# Altium PCB MOTHER_BOARD_LS1021_v1.0.PcbDoc (part 4 of 15) (continued)
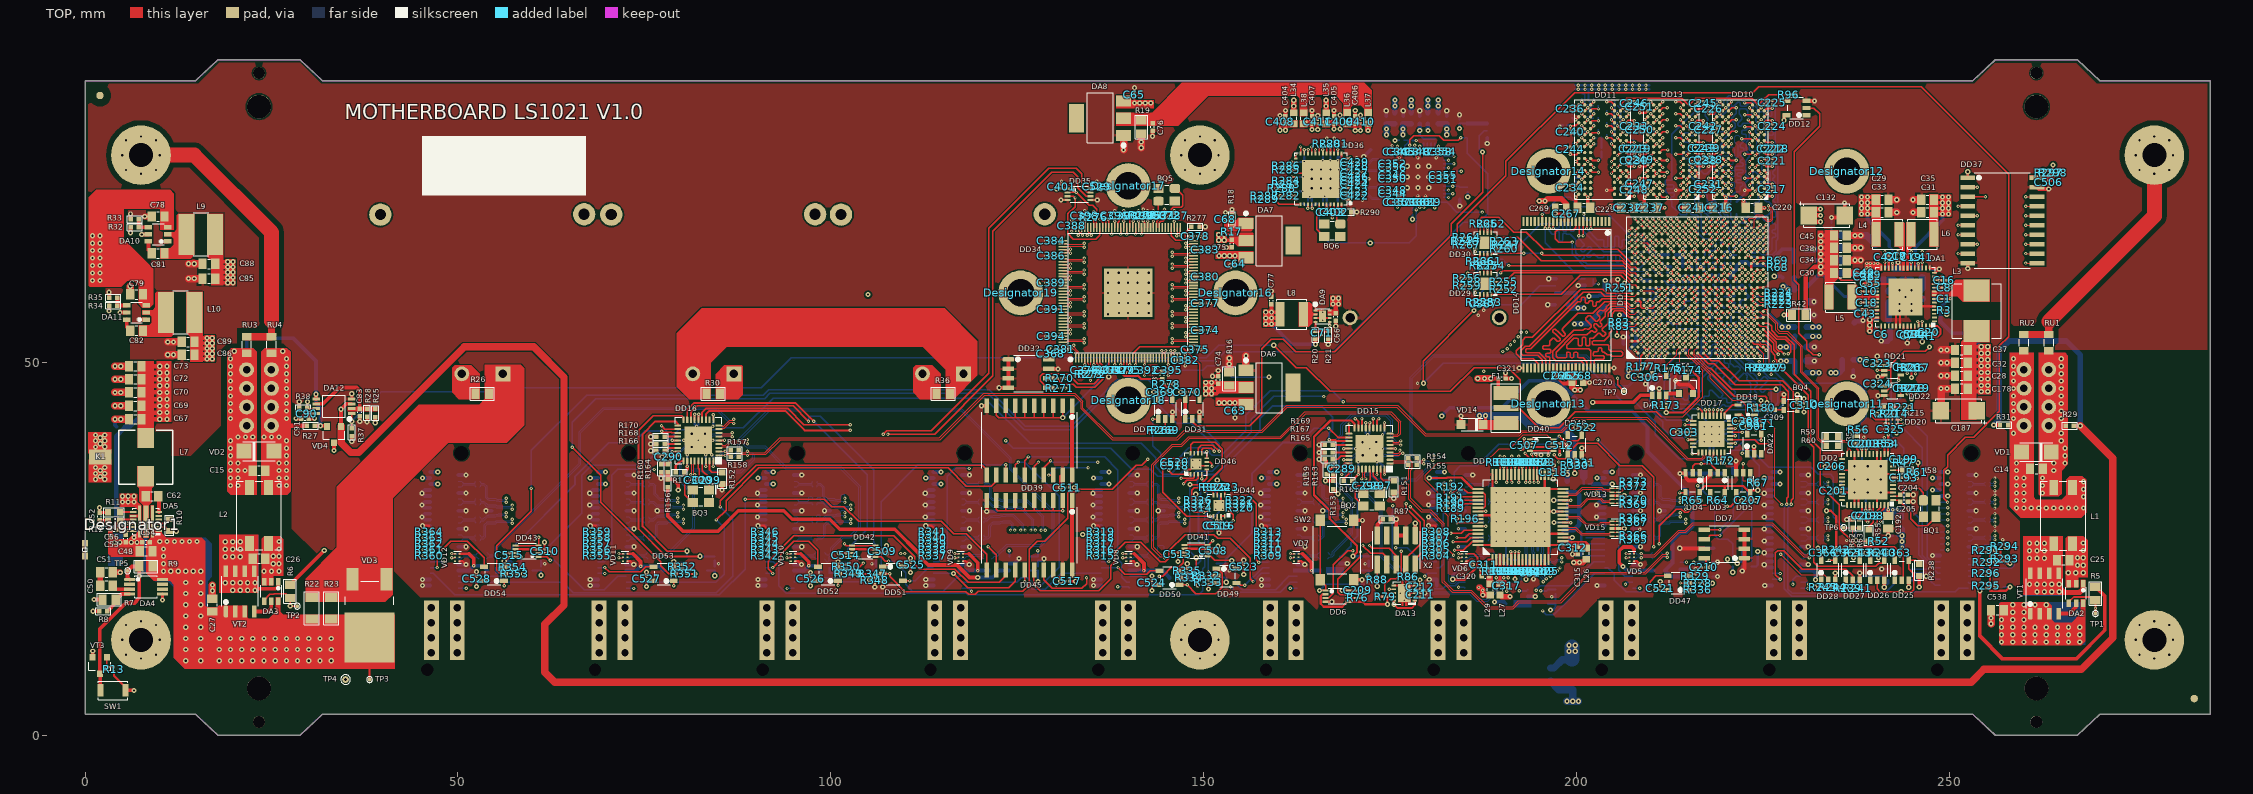
[diagram p0: TOP view]
## Nets (pads, with @x,y where several pads share a name; then routed paths per layer and width w, separated by ;. In a path a pad name is that pad's centre, name@x,y a point inside that pad or via, vN(x,y) a via of type N, cw(c..) or ccw(c..) an arc to the next point about the centre after c; other vN are vias at no path point) (continued)
+CPU_VDDC: C29.2 C33.2 C118.2 C125.2 C139.2 C153.2 C166.1 DA1.25 DD1.K11 DD1.M10 DD1.P10 DD1.R9 L4.2 L12.1 L15.2 | length 22.4
  TOP w0.25: DA1.25@242.375,62.65 242.375,63.316 v1(242.387,63.328) v1@242.387,63.287
  TOP w0.3: v1(214.25,58.85) DD1.K11@214.65,59.25 ; v1(215.85,58.05) DD1.M10@216.25,58.45 ; DD1.P10@217.85,58.45 v1(218.25,58.05) ; DD1.R9@218.65,57.65 v1(219.05,57.25)
  TOP w0.5: v2(239.025,69.925) C33.2@239.825,69.925 ; v2(239.025,70.675) C33.2@239.825,70.675 ; v2(239.025,71.425) C29.2@239.825,71.425 ; v2(239.025,72.175) C29.2@239.825,72.175
  BOTTOM w0.25: 241.95,65.575 242.387,65.138 v1(242.387,63.328)
  BOTTOM w0.3: v1(214.25,58.85) 214.55,58.85 C118.2@214.675,58.725 ; v1(215.85,58.05) C125.2@216.375,58.05 ; v1(218.25,58.05) 218.525,57.775 C139.2@218.525,57.55 ; C153.2@218.525,56.975 218.775,56.975 v1(219.05,57.25)
  BOTTOM w0.5: v2(239.025,70.675) 239.6,70.675 C166.1@240.15,70.125 239.95,69.925 v2(239.025,69.925) 239.025,69.2 241.95,66.275 241.95,65.575
  BOTTOM w0.75: L12.1@230.8,53.5 v2(231.675,53.5) v2(232.525,53.5) ; L15.2@230.8,54.75 v2(231.675,54.75) v2(232.525,54.75)
  other v2: 238.225,69.925 238.225,70.675 238.225,71.425 238.225,72.175
+L1VDD: C60.2 C131.2 C145.2 C158.2 DA1.39 DD1.R8 DD1.T8 | length 42.3
  TOP w0.3: DD1.R8@218.65,56.85 v1(219.05,56.45) ; DD1.T8@219.45,56.85 v1(219.85,56.45)
  GND+PWR2 w0.13: v1(219.85,56.45) 221.06,55.24 224.51,55.24 224.75,55 ; v1(219.85,56.45) 220.24,56.84 220.835,56.84 221.625,56.05 224.25,56.05 224.75,55.55 224.75,55 ; v1(219.85,56.45) 219.85,55.402 220.24,55.012 220.24,54.635 220.415,54.46 224.21,54.46 224.75,55
  GND+PWR2 w0.5: v1(219.05,56.45) v1(219.85,56.45) ; 236.975,57.075 v1(238.35,57.075) v1(238.85,57.075)
  GND+PWR2 w0.75: 224.75,55 225.1,55 226.375,53.725 229.25,53.725 230,54.475 230,56.425 230.85,57.275 235.725,57.275 235.925,57.075 236.975,57.075
  BOTTOM w0.3: v1(219.05,56.45) 219.075,56.45 C158.2@219.525,56 ; v1(219.85,56.45) 220.175,56.125 C145.2@220.175,55.975 ; v1(238.85,57.075) 238.925,57 240.35,57 C60.2@240.35,56.85
  BOTTOM w0.5: C131.2@237.25,57.025 237.3,57.075 v1(238.35,57.075) v1(238.85,57.075)
+LVDD: C59.2 C307.1 C323.1 C324.1 C325.1 C340.1 C507.1 C508.1 C509.1 C510.1 DA1.28 DD17.11 DD17.14 DD17.32 DD20.2 DD21.1 DD22.1 DD23.1 DD23.5 DD40.3 DD40.6 DD41.3 DD41.6 DD42.3 DD42.6 DD43.3 DD43.6 L11.1 R228.2 R229.2 | length 34.9
  TOP w0.3: DD43.6@57.725,24.95 DD43.3@60.825,24.95 61.6,24.95 C510.1@61.625,24.975 v2(61.625,25.9) ; DD42.6@102.875,24.95 DD42.3@105.975,24.95 106.85,24.95 C509.1@106.875,24.975 107.05,24.975 107.475,25.4 v2(107.475,25.425) ; DD41.6@147.425,25.025 DD41.3@150.525,25.025 151.3,25.025 C508.1@151.325,25.05 151.594,25.05 151.909,25.365 v2(151.934,25.365) ; v1@192.602,38.359 192.594,38.352 v1(192.534,38.352) 192.549,38.366 192.891,38.366 193,38.475 C507.1@193,38.65 193.775,38.65 DD40.3@193.8,38.675 DD40.6@196.9,38.675 ; v1(214.95,39.65) DD17.14@215.65,39.65 ; v1(214.95,41.15) DD17.11@215.65,41.15 ; DD17.32@220.6,42.15 v1(221.3,42.15) ; R228.2@224.525,49.6 v1(224.525,50.125) ; R229.2@226.425,49.6 v1(226.425,50.125) ; v2(239.725,46.85) C324.1@240.425,46.85 DD22.1@241.275,46.85 ; v2(239.725,49.6) C323.1@240.325,49.6 DD21.1@241.275,49.6 ; DD20.2@242.375,41.75 242.375,41.1 C325.1@242.4,41.075 v2(242.925,40.55)
  BOTTOM w0.3: v2(184.3,81.375) C340.1@184.3,82.05 DD23.5@185.325,82.05 ; C307.1@220.85,42.15 v1(221.3,42.15) ; v1(239.9,63.275) 239.9,62.85 C59.2@240.2,62.55 240.4,62.75 v1(240.4,63.275)
  BOTTOM w0.5: DD23.5@185.325,82.05 DD23.1@188.025,82.05
  BOTTOM w0.75: L11.1@230.8,48.625 v2(231.675,48.625) v2(232.525,48.625)
  other v1: 238.95,62.725 239.4,62.725 238.95,63.275 239.4,63.275
AGND: C25.1 C26.1 C27.2 C46.2 C48.1 C51.1 C52.1 C53.1 C54.1 C56.1 C87.2 C538.2 DA2.2 DA2.3 DA3.2 DA3.3 DA4.5 DA5.2 DA5.9 DA5.11 K1.1 L1.4 L2.4 R8.1 R10.1 R11.1 R13.2 R36.2 SW1.2 TP4.1 VT3.2 X3.P5 X3.P6 X3.P7 X3.P8 X4.P5 X4.P6 X4.P7 X4.P8 X5.P5 X5.P6 X5.P7 X5.P8 X6.P5 X6.P6 X6.P7 X6.P8 X7.P5 X7.P6 X7.P7 X7.P8 X8.P5 X8.P6 X8.P7 X8.P8 X9.P5 X9.P6 X9.P7 X9.P8 X10.P5 X10.P6 X10.P7 X10.P8 X11.P5 X11.P6 X11.P7 X11.P8 X12.P5 X12.P6 X12.P7 X12.P8 | length 56.8
  TOP w0.25: DA5.2@9.9,27.925 10.775,27.925 R10.1@11.325,27.375
  TOP w0.3: R13.2@3.875,8.575 3.875,7.975 5.45,6.4 SW1.2@5.45,6.025
  TOP w0.4: v2(1.95,30.525) C52.1@1.95,29.85 3,29.85 R11.1@3.075,29.925 ; v2(10.375,18.15) DA4.5@10.375,18.95 ; R10.1@11.325,27.375 v2(12.225,27.375)
  TOP w0.5: VT3.2@1.025,10.45 v2(1.025,11.3) ; v2(1.075,16.65) R8.1@1.9,16.65 ; SW1.2@5.45,6.025 v2(6.575,6.025)
  TOP w0.75: C51.1@3.725,21.85 v2(4.725,21.85)
  TOP w1: C27.2@17.075,18.3 v2(17.075,19.375) v2(17.075,20.15) ; v2(255.6,14.95) v2(255.6,15.725) C538.2@255.6,16.8
  GND+PWR2 w2: C87.2@112.3,48.475 112.3,40.04 116.25,36.09 ; 116.25,36.125 116.25,36.09 ; X9.P8@117.405,11.1 X9.P7@117.405,13.1 X9.P6@117.405,15.1 X9.P5@117.405,17.1 117.405,17.834 114.575,20.664 114.575,28.87 116.25,30.545 116.25,36.09
  other v2: 265.95,21.8 266.95,21.8 267.95,21.8 24,22 25,22 26,22 267.2,22.8 267.95,22.8 25.25,23 26,23 267.2,23.8 267.95,23.8 25.25,24 26,24 267.95,24.8 26,25 267.95,25.8 3.95,25.875 4.7,25.875 6.2,25.875 6.95,25.875 26,26 6.575,26.525 3.475,26.65 5.025,31.3 5.775,31.3 6.55,31.3 5.025,32.05 5.775,32.05 6.55,32.05 1.4,34.325 2.65,34.325 2.025,34.7 1.4,35.1 2.65,35.1 2.025,35.5 1.4,35.9 2.65,35.925
BTN_EXT: R246.1 X3.29 | length 139.9
  TOP w0.196: R246.1@184.775,66.275 184.254,66.275 184.021,66.508 184.021,68.529 190.525,75.033 190.525,76.969 199.74,86.183 223.65,86.183 224.44,86.973 246.272,86.973 257.975,75.27 257.975,53.48 256.723,52.228 256.723,43.448 253.264,39.989 252.162,39.989 249.762,37.589 249.762,36.037 249.252,35.527 249.252,31.794 249.762,31.284 v1(249.762,31.252)
  BOTTOM w0.196: X3.29@248.775,31.3 248.823,31.252 v1(249.762,31.252)
C_CLK: DD1.N5 R196.1 | length 65.3
  TOP w0.196: v1(184.025,29.025) R196.1@184.8,29.025 ; DD1.N5@217.05,54.45 v1(217.45,54.05)
  SIGNAL2 w0.113: v1(184.025,29.025) 184.45,29.025 188.65,33.225 188.65,34.15 189.375,34.875 195.425,34.875 196.431,33.869 196.519,33.869 196.826,33.869 197.316,33.869 197.439,33.746 197.439,31.891 197.561,31.769 197.929,31.769 198.052,31.891 198.052,33.869 198.052,34.133 198.174,34.256 198.542,34.256 198.665,34.133 198.665,33.869 198.665,32.023 198.787,31.9 199.155,31.9 199.278,32.023 199.278,33.869 199.278,34.133 199.4,34.256 199.768,34.256 199.891,34.133 199.891,33.869 199.891,31.955 200.013,31.832 200.381,31.832 200.504,31.955 200.504,33.746 200.626,33.869 200.794,33.869 201.01,34.085 201.062,34.137 211.175,44.25 212.2,44.25 217.027,49.077 217.027,52.723 216.119,53.631 215.594,53.631 215.468,53.757 215.468,54.268 215.631,54.431 216.132,54.431 216.513,54.05 v1(217.45,54.05)
CCLK: DD19.57 R196.2 | length 1.4
  TOP w0.196: R196.2@185.4,29.025 DD19.57@186.8,29.025
CD_EN: DD1.M5 R193.1 | length 65.4
  TOP w0.196: v1(189.25,21.125) R193.1@189.25,21.7 ; v1(215.85,54.05) DD1.M5@216.25,54.45
  SIGNAL2 w0.113: v1(189.25,21.125) 189.906,20.469 192.039,20.469 192.275,20.705 192.275,22.53 193.893,24.148 196.848,24.148 198.718,26.018 199.66,26.018 199.957,26.315 199.957,27.273 202.634,29.95 203.05,29.95 203.812,30.712 203.812,31.937 205.69,33.815 205.841,33.966 205.841,34.096 205.142,34.796 205.142,34.926 205.445,35.229 205.575,35.229 206.34,34.465 206.549,34.255 206.679,34.255 206.983,34.559 206.983,34.689 206.838,34.833 206.838,34.963 208,36.125 218.631,46.756 218.631,47.34 218.631,47.444 218.509,47.567 218.502,47.567 218.379,47.689 218.379,48.057 218.502,48.18 218.631,48.18 220.659,48.18 220.781,48.302 220.781,48.67 220.659,48.793 218.631,48.793 218.502,48.793 218.379,48.915 218.379,49.283 218.502,49.406 218.631,49.406 220.659,49.406 220.781,49.528 220.781,49.896 220.659,50.019 218.754,50.019 218.631,50.141 218.631,50.325 218.631,53.408 218.408,53.631 216.42,53.631 216.066,53.986 215.914,53.986 v1(215.85,54.05)
CDEN: DD19.2 R193.2 | length 1.3
  TOP w0.196: R193.2@189.25,22.3 DD19.2@189.25,23.575
cfg_dram_type: DD1.D10 R249.1 | length 1
  TOP w0.196: v1(209.45,58.05) DD1.D10@209.85,58.45
  BOTTOM w0.196: R249.1@208.975,58.05 v1(209.45,58.05)
cfg_ifc_te: DD1.D14 R250.1 | length 1.4
  TOP w0.196: v1(209.45,62.05) DD1.D14@209.85,61.65
  BOTTOM w0.196: R250.1@208.75,61.775 208.802,61.827 209.158,61.827 209.381,62.05 v1(209.45,62.05)
cfg_rcw_src0: DD1.B12 DD29.16 | length 21.4
  TOP w0.149: 206.176,61.449 206.448,61.177 206.652,61.177 207.07,60.759 207.07,60.693 207.334,60.429 207.87,60.429 207.878,60.422
  TOP w0.196: DD29.16@188.575,59.15 197.974,59.15 200.499,61.675 205.95,61.675 206.176,61.449 ; 207.878,60.422 DD1.B12@208.25,60.05
cfg_rcw_src1: DD1.A12 R251.1 | length 1.4
  TOP w0.196: R251.1@206.125,60.05 206.176,60.101 207.399,60.101 DD1.A12@207.45,60.05
cfg_rcw_src2: DD1.A13 DD29.4 | length 19
  TOP w0.196: DD29.4@189.225,61.3 190.925,61.3 191.654,62.029 206.271,62.029 DD1.A13@207.45,60.85
cfg_rcw_src3: DD1.B14 DD29.8 | length 26.2
  TOP w0.149: 206.36,62.975 207.285,62.05 207.85,62.05
  TOP w0.196: v1(185.425,61.95) DD29.8@187.075,61.95 ; v1(190.925,63) 190.95,62.975 206.36,62.975 ; 207.85,62.05 DD1.B14@208.25,61.65
  BOTTOM w0.196: v1(185.425,61.95) 186.5,61.95 188.4,63.85 190.075,63.85 v1(190.925,63)
cfg_rcw_src4: DD1.A14 DD29.12 | length 23
  TOP w0.196: v1(186.425,59.35) DD29.12@186.425,59.8 ; v1(189.825,62) 190.15,62.325 206.5,62.325 207.156,61.669 207.431,61.669 DD1.A14@207.45,61.65
  BOTTOM w0.196: v1(186.425,59.35) 187.175,59.35 v1(189.825,62)
cfg_rcw_src5: DD1.B15 DD30.16 | length 20.6
  TOP w0.149: 205.762,64.4 207.313,62.85 207.85,62.85
  TOP w0.196: DD30.16@188.575,64.625 192.906,64.625 v1(192.909,64.628) ; v1(195.325,64.65) 195.575,64.4 205.762,64.4 ; 207.85,62.85 DD1.B15@208.25,62.45
  BOTTOM w0.196: v1(192.909,64.628) 192.931,64.65 v1(195.325,64.65)
cfg_rcw_src6: DD1.A15 DD30.4 | length 20
  TOP w0.196: DD30.4@189.225,66.775 192.15,66.775 195.287,63.638 206.112,63.638 206.479,63.271 206.483,63.271 206.656,63.098 206.656,63.094 206.78,62.97 206.784,62.97 207.263,62.491 207.409,62.491 DD1.A15@207.45,62.45
cfg_rcw_src7: DD1.A16 DD30.8 | length 24.8
  TOP w0.196: DD30.8@187.075,67.425 187.075,69.225 187.3,69.45 189.575,69.45 191.575,67.45 193.3,67.45 195.6,65.15 205.55,65.15 DD1.A16@207.45,63.25
CH_SYNC: DD1.N3 R194.1 | length 65.4
  TOP w0.196: v1(190.25,21.125) R194.1@190.25,21.7 ; DD1.N3@217.05,52.85 v1(217.45,52.45)
  SIGNAL2 w0.113: v1(190.25,21.125) 190.291,21.166 190.291,21.791 193.575,25.075 196.425,25.075 199.831,28.481 199.961,28.611 200.134,28.611 200.161,28.583 200.335,28.583 200.595,28.843 200.595,29.017 200.481,29.131 199.884,29.728 199.884,29.901 200.144,30.161 200.317,30.161 200.914,29.564 201.028,29.45 201.202,29.45 201.462,29.71 201.462,29.884 201.348,29.998 200.751,30.594 200.751,30.768 201.011,31.028 201.184,31.028 201.694,30.518 201.868,30.518 202.169,30.819 202.169,34.635 210.084,42.55 213.024,42.55 213.27,42.796 213.4,42.926 213.4,43.099 212.866,43.633 212.866,43.806 213.126,44.066 213.299,44.066 213.92,43.446 213.997,43.369 214.17,43.369 214.43,43.629 214.43,43.802 214.353,43.879 213.733,44.5 213.733,44.673 213.993,44.933 214.166,44.933 214.787,44.313 214.864,44.236 215.037,44.236 215.297,44.496 215.297,44.669 215.22,44.746 214.6,45.367 214.6,45.54 214.86,45.8 215.033,45.8 215.654,45.18 215.731,45.103 215.904,45.103 216.164,45.363 216.164,45.536 216.087,45.613 215.467,46.234 215.467,46.407 215.727,46.667 215.9,46.667 216.521,46.047 216.598,45.97 216.771,45.97 217.031,46.23 217.031,46.403 216.954,46.48 216.334,47.101 216.334,47.274 216.594,47.534 216.767,47.534 217.301,47 217.474,47 217.675,47.201 217.675,47.385 217.798,47.508 217.831,47.508 217.953,47.63 217.953,47.998 217.831,48.121 217.675,48.121 216.985,48.121 216.862,48.243 216.862,48.611 216.985,48.734 217.675,48.734 217.831,48.734 217.953,48.856 217.953,49.224 217.831,49.347 217.675,49.347 217.363,49.347 217.24,49.469 217.24,49.837 217.363,49.96 217.675,49.96 217.831,49.96 217.953,50.082 217.953,50.45 217.831,50.573 217.798,50.573 217.675,50.695 217.675,50.75 217.675,50.975 217.831,51.131 217.831,52.068 v1(217.45,52.45)
CHSYNC: DD19.4 R194.2 | length 1.3
  TOP w0.196: R194.2@190.25,22.3 DD19.4@190.25,23.575
CLK_RGMII_25M: C341.1 R58.1 R61.2 | length 144.3
  TOP w0.196: R58.1@244.8,35.55 R61.2@245.7,35.55 245.812,35.662 v2(245.812,36.565)
  SIGNAL1 w0.113: v2(175.65,79.775) 175.65,81.96 176.29,82.601 196.157,82.601 199.596,86.039 213.04,86.039 213.895,86.894 244.027,86.894 256.004,74.917 256.004,67.524 252.02,63.539 248.948,63.539 247.284,61.875 241.833,61.875 240.235,60.278 240.235,52.427 241.429,51.234 241.429,45.421 245.125,41.725 245.125,38.6 245.775,37.95 245.775,36.602 v2(245.812,36.565)
  BOTTOM w0.196: v2(175.65,79.775) C341.1@176.275,79.775
CLK_RGMII_125M: DD1.Y4 R56.1 R57.1 | length 28.3
  TOP w0.196: DD1.Y4@222.65,53.65 v1(223.05,53.25) ; v1(236.9,41) R56.1@237.575,41 R57.1@237.575,40.175
  BOTTOM w0.196: v1(223.05,53.25) 223.5,52.8 225.3,52.8 225.925,52.175 225.925,49.95 226.605,49.27 227.38,49.27 229.425,47.225 237.7,47.225 238.875,46.05 238.875,42.575 237.3,41 v1(236.9,41)
CONSOLE_RXD: DD38.5 X3.3 | length 4.6
  BOTTOM w0.196: DD38.5@244.925,22.3 247.175,22.3 247.977,21.498 247.977,21.199 248.276,20.9 X3.3@248.775,20.9
CONSOLE_TXD: DD38.6 X3.1 | length 5.1
  BOTTOM w0.196: DD38.6@244.925,21.8 246.6,21.8 246.673,21.873 247.127,21.873 247.525,21.475 247.525,20.675 248.1,20.1 X3.1@248.775,20.1
CPU_TXRX_A_N: C423.2 DD24.2 | length 5.5
  TOP w0.12: C423.2@170.55,72.875 170.69,72.735 171.135,72.735 v1(171.3,72.9)
  BOTTOM w0.12: v1(171.3,72.9) 171.37,72.9 171.535,72.735 171.99,72.735 172.24,72.485 172.635,72.09 173.516,72.09 173.911,72.485 174.915,72.485 174.985,72.555 174.985,72.56 175.05,72.625 DD24.2@175.35,72.625
CPU_TXRX_A_P: C422.2 DD24.1 | length 5.5
  TOP w0.12: C422.2@170.55,72.375 170.69,72.515 171.135,72.515 v1(171.3,72.35)
  BOTTOM w0.12: v1(171.3,72.35) 171.37,72.35 171.535,72.515 171.899,72.515 172.149,72.265 172.544,71.87 173.607,71.87 174.002,72.265 174.6,72.265 ; 174.625,72.265 174.915,72.265 175.055,72.125 DD24.1@175.35,72.125
CPU_TXRX_B_N: C425.2 DD24.5 | length 5.5
  TOP w0.12: C425.2@170.55,74.375 170.69,74.235 171.176,74.235 171.406,74.006 171.531,74.006 v1(171.585,74.06)
  BOTTOM w0.12: v1(171.585,74.06) 171.585,73.827 171.786,73.625 173.2,73.625 173.56,73.985 174.915,73.985 174.985,74.055 174.985,74.06 175.05,74.125 DD24.5@175.35,74.125
CPU_TXRX_B_P: C424.2 DD24.4 | length 5.5
  TOP w0.12: C424.2@170.55,73.875 170.69,74.015 171.085,74.015 171.25,73.85 171.25,73.725 v1(171.196,73.671)
  BOTTOM w0.12: v1(171.196,73.671) 171.429,73.671 171.695,73.405 173.291,73.405 173.651,73.765 174.915,73.765 174.985,73.695 174.985,73.69 175.05,73.625 DD24.4@175.35,73.625
CPU_TXRX_C_N: C427.2 DD24.8 | length 5.5
  TOP w0.12: C427.2@170.55,75.375 170.69,75.235 171.085,75.235 171.25,75.4 171.25,75.525 v1(171.196,75.579)
  BOTTOM w0.12: v1(171.196,75.579) 171.429,75.579 171.681,75.831 173.306,75.831 173.651,75.485 174.915,75.485 174.985,75.555 174.985,75.56 175.05,75.625 DD24.8@175.35,75.625
CPU_TXRX_C_P: C426.2 DD24.7 | length 5.5
  TOP w0.12: C426.2@170.55,74.875 170.69,75.015 171.176,75.015 171.406,75.244 171.531,75.244 v1(171.585,75.19)
  BOTTOM w0.12: v1(171.585,75.19) 171.585,75.424 171.772,75.611 173.214,75.611 173.56,75.265 174.915,75.265 174.985,75.195 174.985,75.19 175.05,75.125 DD24.7@175.35,75.125
CPU_TXRX_D_N: C429.2 DD24.11 | length 5.5
  TOP w0.12: C429.2@170.55,76.875 170.69,76.735 171.135,76.735 v1(171.3,76.9)
  BOTTOM w0.12: v1(171.3,76.9) 171.465,76.735 172.024,76.735 172.684,77.395 174.091,77.395 174.501,76.985 174.915,76.985 174.985,77.055 174.985,77.06 175.05,77.125 DD24.11@175.35,77.125
CPU_TXRX_D_P: C428.2 DD24.10 | length 5.5
  TOP w0.12: C428.2@170.55,76.375 170.69,76.515 171.135,76.515 v1(171.3,76.35)
  BOTTOM w0.12: v1(171.3,76.35) 171.465,76.515 172.115,76.515 172.775,77.175 174,77.175 174.41,76.765 174.915,76.765 174.985,76.695 174.985,76.69 175.05,76.625 DD24.10@175.35,76.625
CV_SYNC: DD1.N4 R195.1 | length 65.4
  TOP w0.196: R195.1@190.75,21.7 190.75,21.25 v1(190.875,21.125) ; DD1.N4@217.05,53.65 v1(217.45,53.25)
  SIGNAL2 w0.113: v1(190.875,21.125) 190.875,21.85 193.687,24.662 196.762,24.662 202.469,30.368 202.885,30.368 203.275,30.759 203.275,31.55 203.275,33.295 203.398,33.418 204.111,33.418 204.233,33.54 204.233,33.908 204.111,34.031 203.398,34.031 203.275,34.153 203.275,34.644 203.275,34.95 203.826,35.501 203.999,35.501 204.026,35.475 204.199,35.475 204.46,35.735 204.46,35.908 204.346,36.021 204.217,36.15 204.217,36.324 204.477,36.584 204.651,36.584 204.78,36.455 205.371,35.864 205.544,35.864 205.804,36.124 205.804,36.297 205.213,36.888 205.084,37.017 205.084,37.19 205.344,37.451 205.518,37.451 205.647,37.322 206.238,36.731 206.411,36.731 206.671,36.991 206.671,37.164 206.08,37.755 205.951,37.884 205.951,38.057 206.211,38.317 206.385,38.317 206.514,38.189 206.527,38.175 206.7,38.175 206.96,38.435 206.96,38.609 206.947,38.622 206.818,38.751 206.818,38.924 207.078,39.184 207.252,39.184 207.38,39.055 207.467,38.969 207.64,38.969 207.9,39.229 207.9,39.402 207.814,39.489 207.685,39.618 207.685,39.791 207.945,40.051 208.118,40.051 208.247,39.922 208.838,39.331 209.012,39.331 209.272,39.591 209.272,39.765 208.681,40.356 208.552,40.485 208.552,40.658 208.812,40.918 208.985,40.918 209.114,40.789 209.705,40.198 209.879,40.198 210.139,40.458 210.139,40.632 209.548,41.223 209.419,41.352 209.419,41.525 209.679,41.785 209.852,41.785 209.894,41.743 210.068,41.743 210.198,41.873 210.507,41.873 210.63,41.75 210.63,41.037 210.752,40.915 211.12,40.915 211.243,41.037 211.243,41.873 211.243,42.173 211.365,42.295 211.733,42.295 211.856,42.173 211.856,41.873 211.856,41.037 211.978,40.915 212.346,40.915 212.469,41.037 212.469,41.75 212.591,41.873 212.775,41.873 212.975,41.873 218.166,47.064 218.166,52.534 v1(217.45,53.25)
CVSYNC: DD19.5 R195.2 | length 1.3
  TOP w0.196: R195.2@190.75,22.3 DD19.5@190.75,23.575
DDR_A0: DD1.AC22 DD10.N3 DD11.N3 DD13.N3 R103.1 | length 63.3
  TOP w0.196: v1(204.7,82.55) DD11.N3@205.1,82.15 ; v1(213.95,82.55) DD13.N3@214.35,82.15 ; v1(223.052,82.524) 223.052,82.498 223.4,82.15 DD10.N3@223.6,82.15 ; DD1.AC22@225.05,68.05 v1(225.45,68.45)
  SIGNAL1 w0.113: v1(204.7,82.55) 205.5,82.55 205.907,82.143 206.482,82.143 206.544,82.08 206.544,82.06 206.607,81.997 206.795,81.997 206.857,82.06 206.857,82.261 206.92,82.324 207.108,82.324 207.17,82.261 207.17,82.205 207.233,82.143 207.468,82.143 207.592,82.018 207.908,82.018 208.171,82.281 208.766,82.281 208.879,82.168 209.308,82.168 209.439,82.3 209.846,82.3 209.909,82.363 209.909,82.386 209.972,82.449 210.159,82.449 210.222,82.386 210.222,82.363 210.285,82.3 210.46,82.3 210.592,82.168 210.999,82.168 211.061,82.231 211.061,82.317 211.124,82.379 211.312,82.379 211.374,82.317 211.374,82.231 211.437,82.168 212.358,82.168 212.74,82.55 v1(213.95,82.55) 214.275,82.55 214.693,82.131 214.831,82.131 215.025,82.325 215.175,82.325 215.331,82.168 215.563,82.168 215.832,81.9 215.925,81.9 216.1,82.075 216.1,82.25 216.175,82.325 216.475,82.325 216.557,82.243 216.557,82.082 216.621,82.018 217.243,82.018 217.381,82.156 217.381,82.331 217.475,82.425 217.925,82.425 218.012,82.337 218.012,82.237 218.081,82.168 218.3,82.168 218.558,82.168 218.851,82.462 218.963,82.462 219.05,82.375 219.05,82.225 219.1,82.175 219.225,82.175 219.3,82.25 219.3,82.387 219.375,82.462 219.525,82.462 219.625,82.362 219.625,82.243 219.7,82.168 220.289,82.168 220.4,82.279 220.4,82.375 220.475,82.45 220.65,82.45 220.725,82.375 220.725,82.231 220.825,82.131 221.681,82.131 221.975,82.425 221.975,82.5 222.025,82.55 222.174,82.55 222.275,82.449 222.275,82.275 222.35,82.2 222.525,82.2 222.6,82.275 222.6,82.449 222.675,82.524 v1(223.052,82.524) 223.318,82.257 224.032,82.257 224.314,81.975 224.475,81.975 224.668,82.168 224.85,82.168 225.043,81.975 225.25,81.975 225.6,82.325 225.775,82.325 226.132,81.968 226.132,81.757 226.415,81.475 226.725,81.475 226.862,81.338 226.862,81.028 227.058,80.831 227.058,80.714 227.226,80.547 227.428,80.547 227.725,80.25 227.725,80.036 227.525,79.836 227.525,79.575 227.725,79.375 227.725,78.425 227.63,78.33 227.237,78.33 227.106,78.2 227.106,78.121 226.899,77.913 226.803,77.913 226.408,77.518 226.092,77.518 225.868,77.742 225.868,77.831 225.75,77.95 225.55,77.95 225.475,77.875 225.475,77.475 225.618,77.331 225.758,77.331 225.981,77.108 225.981,76.868 226.121,76.729 226.275,76.729 226.35,76.804 226.35,77.2 226.4,77.25 226.575,77.25 226.65,77.175 226.65,76.804 226.725,76.729 226.9,76.729 227,76.829 227,77.475 227.15,77.625 227.325,77.625 227.45,77.5 227.675,77.5 227.75,77.425 227.75,77.2 227.65,77.1 227.425,77.1 227.325,77 227.325,76.824 227.744,76.405 227.744,75.769 227.6,75.625 227.275,75.625 227.175,75.525 227.175,75.35 227.275,75.25 227.65,75.25 227.725,75.175 227.725,74.85 227.65,74.775 227.275,74.775 227.225,74.725 227.225,74.475 227.275,74.425 227.65,74.425 227.725,74.35 227.725,72.35 227.65,72.275 227.3,72.275 227.243,72.218 227.243,72 227.318,71.925 227.7,71.925 227.75,71.875 227.75,71.525 227.7,71.475 227.293,71.475 227.243,71.425 227.243,70.375 227.118,70.25 226.9,70.25 226.825,70.175 226.825,70 226.875,69.95 227.375,69.95 227.45,69.875 227.45,69.675 227.375,69.6 226.9,69.6 226.825,69.525 226.825,69.4 226.9,69.325 227.5,69.325 227.574,69.251 227.574,69.151 227.437,69.013 227.013,69.013 226.925,68.925 226.925,68.5 225.675,67.25 225.175,67.25 225.05,67.375 225.05,67.79 224.808,68.031 224.768,68.031 224.75,68.05 224.375,68.05 224.268,68.156 224.268,68.608 224.81,69.15 225.2,69.15 225.425,68.925 225.425,68.45 v1(225.45,68.45)
  BOTTOM w0.196: v1(204.7,82.55) R103.1@204.7,83.025
DDR_A1: DD1.Y19 DD10.P7 DD11.P7 DD13.P7 R104.1 | length 60.7
  TOP w0.196: DD11.P7@201.9,82.95 v1(202.3,83.35) ; DD13.P7@211.15,82.95 v1(211.55,83.35) ; DD10.P7@220.4,82.95 v1(220.8,83.35) ; DD1.Y19@222.65,65.65 v1(223.05,66.05)
  SIGNAL1 w0.113: v1(220.8,83.35) 220.863,83.413 221.863,83.413 222.075,83.625 222.725,83.625 222.85,83.5 223.31,83.5 223.842,82.968 224.193,82.968 224.523,83.298 224.902,83.298 225.335,83.731 225.768,83.731 226.2,83.3 226.635,83.3 226.717,83.217 226.717,83.128 226.8,83.046 227.048,83.046 227.13,83.128 227.13,83.217 227.213,83.3 227.75,83.3 228.295,82.755 228.327,82.755 ; v1(223.05,66.05) 223.05,65.79 223.431,65.408 223.431,64.971 223.753,64.65 224.435,64.65 224.517,64.733 224.517,64.786 224.6,64.869 224.848,64.869 224.93,64.786 224.93,64.733 225.013,64.65 225.55,64.65 226.207,65.307 226.207,65.424 225.875,65.756 225.875,65.996 225.989,66.109 226.105,66.109 226.499,65.716 226.616,65.716 226.791,65.891 226.791,66.008 226.221,66.578 226.221,66.695 226.396,66.87 226.513,66.87 227.083,66.3 227.2,66.3 228.825,67.925 228.825,69.425 229.625,70.225 229.625,79.34 229.712,79.427 229.712,79.675 229.625,79.762 229.625,80.166 229.712,80.253 229.712,80.501 229.629,80.583 229.262,80.583 229.18,80.666 229.18,80.914 229.262,80.996 229.542,80.996 229.625,81.079 229.625,81.425 229.203,81.847 229.203,81.996 229.028,82.171 228.911,82.171 228.895,82.155 228.731,81.991 228.614,81.991 228.439,82.167 228.439,82.283 228.603,82.447 228.612,82.457 228.612,82.573 228.437,82.749 228.32,82.749
  SIGNAL2 w0.113: v1(202.3,83.35) 203.525,83.35 203.906,83.731 205.504,83.731 205.566,83.794 205.566,84.058 205.629,84.121 205.817,84.121 205.879,84.058 205.879,83.669 205.942,83.606 206.13,83.606 206.255,83.731 206.443,83.731 206.568,83.606 206.756,83.606 206.881,83.731 207.258,83.731 207.371,83.618 208.079,83.618 208.385,83.925 208.615,83.925 208.808,83.731 211.168,83.731 v1(211.55,83.35) ; v1@211.587,83.387 211.625,83.35 212.725,83.35 213.143,83.768 216.681,83.768 216.831,83.618 217.158,83.618 217.308,83.768 219.431,83.768 219.85,83.35 v1(220.8,83.35)
  BOTTOM w0.196: v1(202.3,83.35) R104.1@202.3,83.825
DDR_A2: DD1.V21 DD10.P3 DD11.P3 DD13.P3 R105.1 | length 64.4
  TOP w0.196: v1(204.075,83.35) 204.7,83.35 DD11.P3@205.1,82.95 ; v1(213.325,83.35) 213.95,83.35 DD13.P3@214.35,82.95 ; DD1.V21@221.05,67.25 v1(221.45,67.65) ; v1(222.55,83.2) 223.35,83.2 DD10.P3@223.6,82.95
  SIGNAL1 w0.113: v1(204.075,83.35) 204.9,83.35 205.281,82.968 205.658,82.968 205.839,83.15 206.76,83.15 206.942,82.968 207.258,82.968 207.614,83.325 208.135,83.325 208.342,83.118 208.658,83.118 209.014,83.475 209.285,83.475 209.792,82.968 210.108,82.968 210.614,83.475 210.885,83.475 211.392,82.968 211.718,82.968 212.1,83.35 v1(213.325,83.35) 213.53,83.144 213.719,83.144 213.775,83.2 213.775,83.468 213.825,83.518 214,83.518 214.075,83.443 214.075,83.219 214.15,83.144 214.405,83.144 214.787,82.763 214.963,82.763 215,82.8 215,83.037 215.1,83.137 215.25,83.137 215.455,82.931 215.638,82.931 215.843,83.137 216.023,83.137 216.125,83.035 216.125,82.925 216.2,82.85 216.425,82.85 216.731,83.156 216.731,83.331 216.8,83.4 217.325,83.4 217.393,83.331 217.393,83.056 217.481,82.968 217.942,82.968 218.199,83.225 218.75,83.225 219.025,82.95 219.339,82.95 219.614,83.225 220.325,83.225 220.65,82.9 220.889,82.9 221.189,83.2 221.775,83.2 221.962,83.013 222.363,83.013 v1(222.55,83.2) 223.216,83.2 223.716,82.7 224.3,82.7 224.55,82.95 225.899,82.95 225.987,83.038 226.497,83.038 229.381,80.154 229.381,78.767 228.668,78.054 228.668,76.842 229.15,76.36 229.15,76.001 229.233,75.918 229.278,75.918 229.36,75.836 229.36,75.588 229.278,75.505 229.233,75.505 229.15,75.423 229.15,75.175 229.233,75.092 229.278,75.092 229.36,75.01 229.36,74.762 229.278,74.679 229.141,74.679 229.058,74.597 229.058,74.349 229.141,74.266 229.278,74.266 229.36,74.184 229.36,73.936 229.278,73.853 229.233,73.853 229.15,73.771 229.15,73.523 229.233,73.44 229.278,73.44 229.36,73.358 229.36,73.11 229.278,73.027 229.233,73.027 229.15,72.945 229.15,72.697 229.233,72.614 229.278,72.614 229.36,72.532 229.36,72.284 229.278,72.201 229.233,72.201 229.15,72.119 229.15,71.871 229.233,71.788 229.278,71.788 229.36,71.706 229.36,71.458 229.278,71.375 229.15,71.375 229.088,71.313 229.088,71.025 229.15,70.962 229.278,70.962 229.36,70.88 229.36,70.632 229.278,70.55 229.233,70.55 229.15,70.467 229.15,70.2 228.469,69.519 228.469,69.244 228.09,68.865 228.09,68.748 228.575,68.263 228.575,68.146 228.4,67.971 228.283,67.971 227.798,68.456 227.681,68.456 227.456,68.231 227.456,68.097 227.281,67.922 227.147,67.922 226.922,67.697 226.922,67.58 227.455,67.046 227.455,66.93 227.28,66.754 227.163,66.754 226.63,67.288 226.513,67.288 225.693,66.468 225.143,66.468 225.031,66.356 225.031,65.815 224.848,65.631 223.668,65.631 223.45,65.85 223.45,67.875 223.275,68.05 222.825,68.05 222.65,67.875 222.65,67.51 222.408,67.268 221.831,67.268 v1(221.45,67.65)
  BOTTOM w0.196: v1(204.075,83.35) R105.1@204.075,83.825